# Altium PCB INC-QT1-R-005 93x100x1.6mm.PcbDoc (continued)
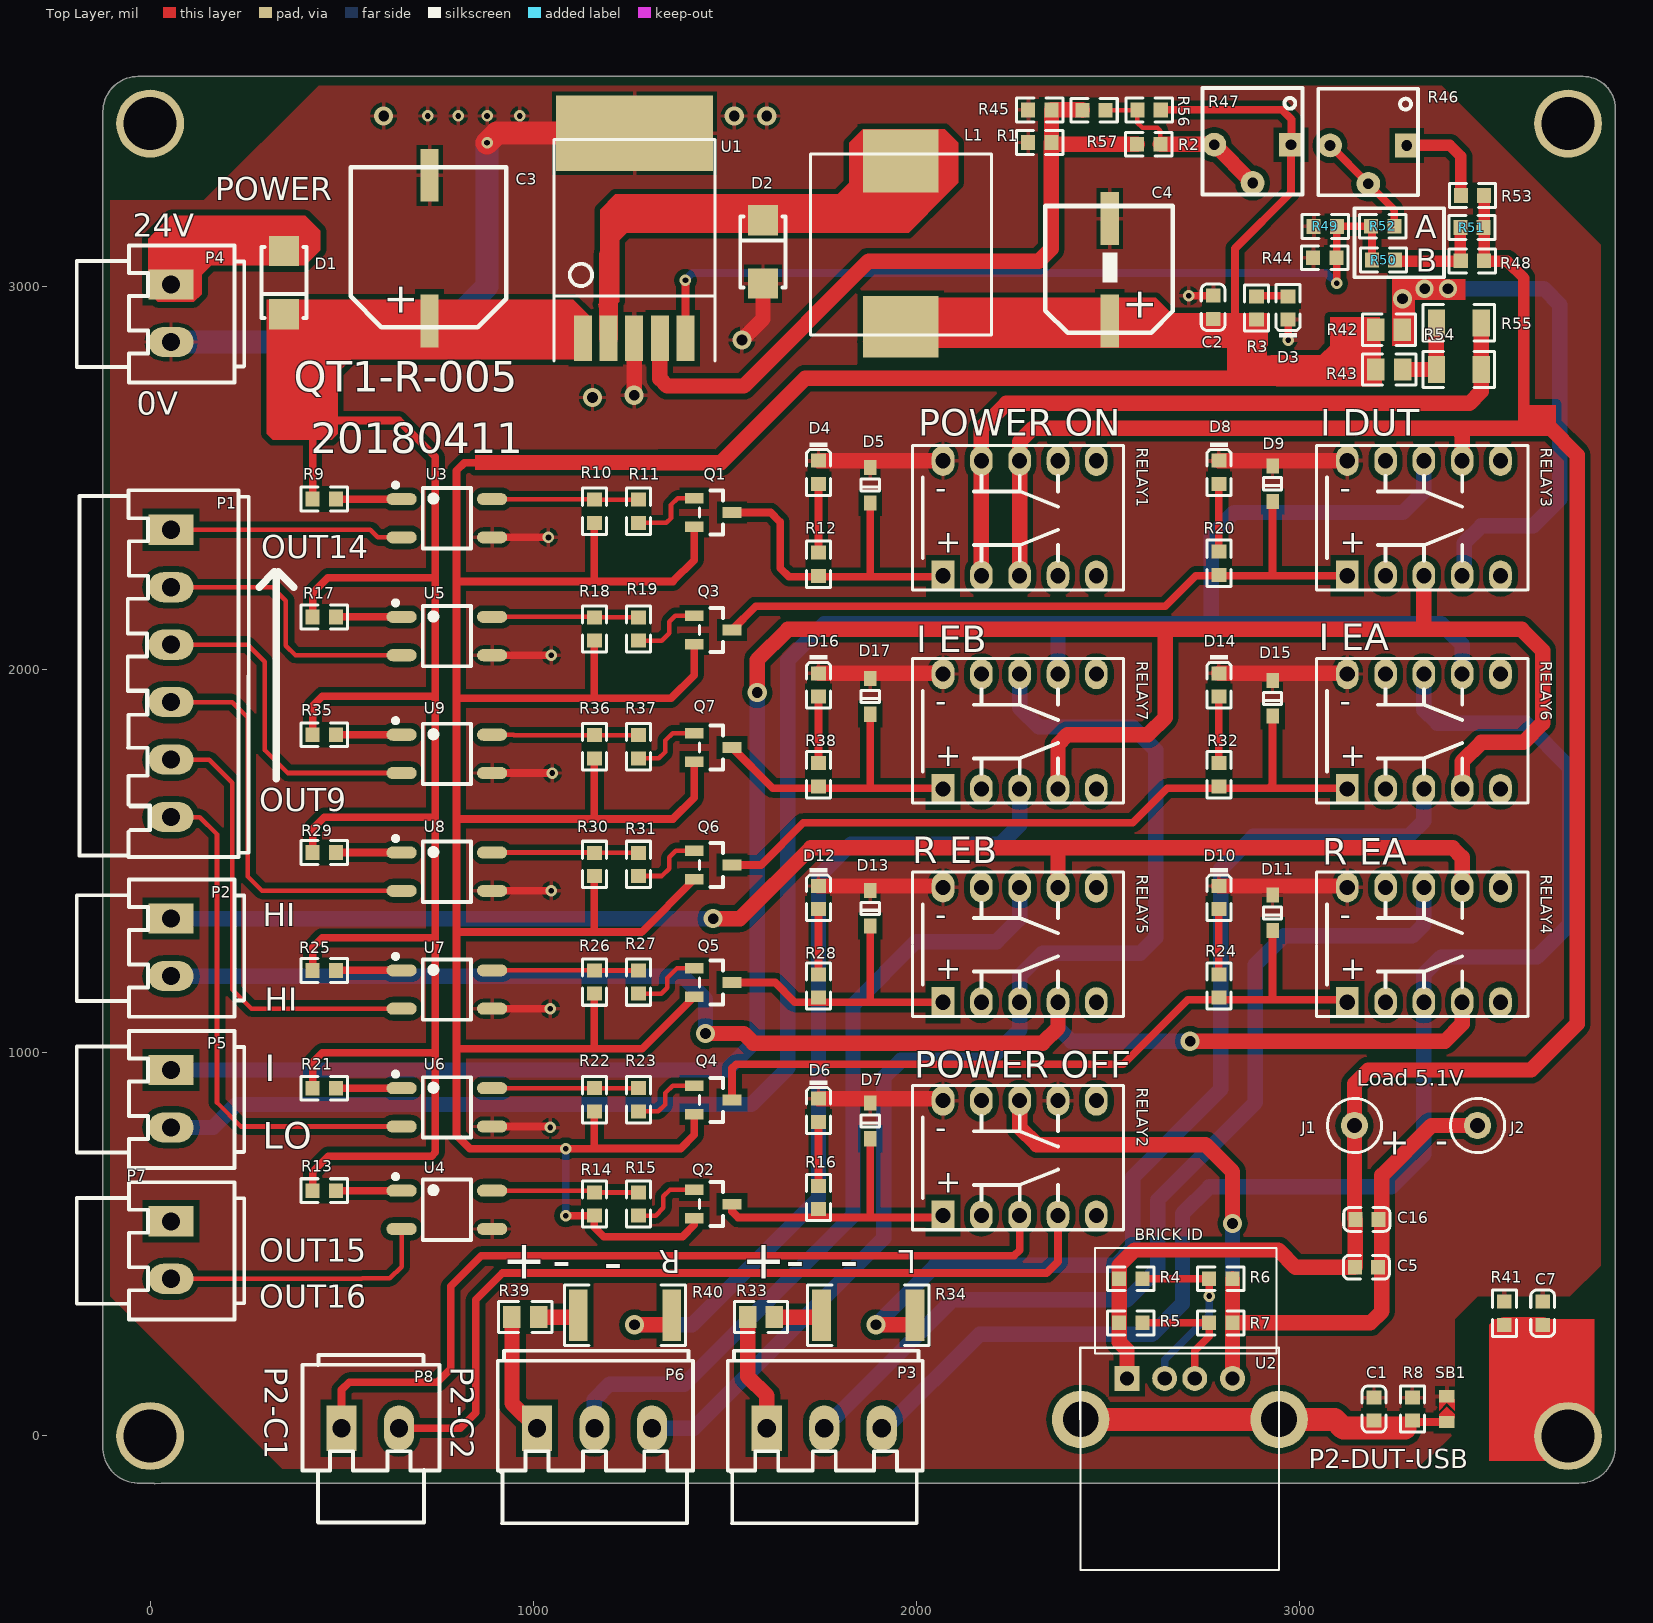
[diagram p0: Top Layer view]
## Footprints (in the part's own frame and the unit in brackets; to place one, negate y for a bottom-side part, rotate by r counter-clockwise, add the part's x,y. Pads: shape width x height; smd on the part's side, far side on the other; paste and mask are expansions set on the pad) (continued)
TP [mm] "XCP"
  round 1.8 hole 1: 1(0,0)
  silkscreen extent -1.8,-1.8 1.8,1.8, body extent -1.6,-1.6 1.57,1.57, height 8.13
USB_TypeA [mil]
  rect 65x65 hole 37: 1(0,0)
  round 65 hole 37: 2(-98.5,0) 3(-177,0) 4(-275.6,0)
  round 150 hole 93: 5(-397,107) 6(121,107)
  silkscreen extent -397,-80 122,500, body extent -449,-45 173,494, height 274
WJ15EDGVC-3.81-2P [mm] "XCP 15EDG连接器 直 插件 P=3.81"
  rect 2x3 hole 1.2: 1(0,0)
  oval 2x3 hole 1.2: 2(3.81,0)
  silkscreen extent -2.59,-6.25 6.5,4.85, body extent -2.57,-6.22 6.44,4.88, height 18.95
WJ15EDGVC-3.81-3P [mm] "XCP 15EDG连接器 直 插件 P=3.81"
  rect 2x3 hole 1.2: 1(0,0)
  oval 2x3 hole 1.2: 2(3.81,0) 3(7.62,0)
  silkscreen extent -2.59,-6.3 10.34,5.13, body extent -2.56,-6.2 10.26,4.9, height 18.6
WJ15EDGVC-3.81-6P [mm] "XCP15EDG连接器 直 插件 P=3.81"
  rect 2x3 hole 1.2: 1(0,0)
  oval 2x3 hole 1.2: 2(3.81,0) 3(7.62,0) 4(11.43,0) 5(15.24,0) 6(19.05,0)
  silkscreen extent -2.62,-6.07 21.69,5.16, body extent -2.6,-5.98 21.65,5.12, height 18.6
"插件可调电阻 3362P" [mil] "XCP 调节面在顶部 引脚三角"
  rect 62x62 hole 28: 1(0,0)
  round 62 hole 28: 2(-200,0) 3(-100,-100)
  silkscreen extent -231,-130 30,148, body extent -230,-130 30,148, height 185
"插件继电器 TQ2-5V" [mm] "XCP-PANASONIC(松下)"
  rect 1.5x2 hole 1: 1(0,0)
  oval 1.5x2 hole 1: 2(2.54,0) 3(5.08,0) 4(7.62,0) 5(10.16,0) 6(10.16,7.62) 7(7.62,7.62) 8(5.08,7.62) 9(2.54,7.62) 10(0,7.62)
  silkscreen extent -2.03,-0.94 11.97,8.64, body extent -1.92,-0.69 12.08,8.31, height 5
"贴片电感 12*12" [mm] "XCP"
  rect 3x5 smd: 1(0,0) 2(12.096,0)
  silkscreen extent 0.1,-6 12.1,6, body extent -0.25,-6.4 12.45,6.3, height 8
"贴片电解 8mm X 10mm" [mm] "XCP"
  rect 3.5x1.2 smd: 1(0,0) 2(6.782,0)
  silkscreen extent -0.79,-4.19 7.62,4.27, body extent -1.45,-4.25 8.25,4.25, height 10.3
"贴片电解 10mm X 10mm" [mm] "XCP"
  rect 3.5x1.2 smd: 1(0,0) 2(9.652,0)
  silkscreen extent -0.41,-5.08 10.19,5.23, body extent -1.02,-5.25 10.78,5.25, height 10.3

## Part data
C1 C2 C5 C7: library part "0603 100nF (104) 10% 50V", "贴片电容", Package=0603, SuppliersPartNumber=C14663, ComponentLink1Description=供应商链接, ComponentLink1URL=http://www.szlcsc.com/product/details_15331.html, Supplier=LC
C3 C4: library part "Cap Pol1", "Polarized Capacitor (Radial)", LatestRevisionDate=17-Jul-2002, LatestRevisionNote="Re-released for DXP Platform.", PackageReference=RB7.6-15, Published=8-Jun-2000, Publisher="Altium Limited"
C16: library part "0603 2.2uF (225) 10% 16V", "贴片电容", Package=0603, SuppliersPartNumber=C23630, ComponentLink1Description=供应商链接, ComponentLink1URL=http://www.szlcsc.com/product/details_24366.html, Supplier=LC
D1 D2: library part "SMA(DO-214AC) SS54", "二极管", Package=SMA(DO-214AC), SuppliersPartNumber=C22452, ComponentLink1Description=供应商链接, ComponentLink1URL=http://www.szlcsc.com/product/details_23178.html, Supplier=LC
D3: library part "0603 红灯", "发光二极管", Package=0603, SuppliersPartNumber=C2286, ComponentLink1Description=供应商链接, ComponentLink1URL=http://www.szlcsc.com/product/details_2659.html, Supplier=LC
D4 D6 D8 D10 D12 D14 D16: library part "0603 蓝灯", "发光二极管", Package=0603, SuppliersPartNumber=C72041, ComponentLink1Description=供应商链接, ComponentLink1URL=http://www.szlcsc.com/product/details_73150.html, Supplier=LC
D5 D7 D9 D11 D13 D15 D17: library part "SOD-323 1N4148WS T4", "二极管", Package=SOD-323, SuppliersPartNumber=C2128, ComponentLink1Description=供应商链接, ComponentLink1URL=http://www.szlcsc.com/product/details_2485.html, Supplier=LC
L1: library part Inductor, "Inductor", Code_IEC=1005, Code_JEITA=0402, LatestRevisionDate=29-May-2009, LatestRevisionNote="IPC-7351 Footprint Added.", PackageDescription="Chip Inductor", PackageReference=0402-A, Published=8-Jun-2000, Publisher="Altium Limited"
P1: "Header, 6-Pin", LatestRevisionDate=17-Jul-2002, LatestRevisionNote="Re-released for DXP Platform.", Publisher="Altium Limited"
P2 P4 P5 P7 P8: "Header, 2-Pin", LatestRevisionDate=17-Jul-2002, LatestRevisionNote="Re-released for DXP Platform.", Publisher="Altium Limited"
P3 P6: "Header, 3-Pin", LatestRevisionDate=17-Jul-2002, LatestRevisionNote="Re-released for DXP Platform.", Publisher="Altium Limited"
Q1 Q2 Q3 Q4 Q5 Q6 Q7: library part "SOT-23 SS8550 Y2", "三极管", Package=SOT-23, SuppliersPartNumber=C8542, ComponentLink1Description=供应商链接, ComponentLink1URL=http://www.szlcsc.com/product/details_9037.html, Supplier=LC
R1 R3: library part "0603 1.5KΩ (1501) 1%", "贴片电阻", Package=0603, SuppliersPartNumber=C22843, ComponentLink1Description=供应商链接, ComponentLink1URL=http://www.szlcsc.com/product/details_23570.html, Supplier=LC
R2: library part "0603 5.1KΩ (5101) 1%", "贴片电阻", Package=0603, SuppliersPartNumber=C23186, ComponentLink1Description=供应商链接, ComponentLink1URL=http://www.szlcsc.com/product/details_23913.html, Supplier=LC
R4 R34 R40: library part Res2, "Resistor", LatestRevisionDate=17-Jul-2002, LatestRevisionNote="Re-released for DXP Platform.", PackageReference=AXIAL-0.4, Published=8-Jun-2000, Publisher="Altium Limited"
R5: library part "0603 75KΩ (7502) 1%", "贴片电阻", Package=0603, SuppliersPartNumber=C23242, ComponentLink1Description=供应商链接, ComponentLink1URL=http://www.szlcsc.com/product/details_23969.html, Supplier=LC
R6 R7: library part "0603 49.9KΩ (4992) 1%", "贴片电阻", Package=0603, SuppliersPartNumber=C23184, ComponentLink1Description=供应商链接, ComponentLink1URL=http://www.szlcsc.com/product/details_23911.html, Supplier=LC
R8 R41 R45 R57: library part "0603 100KΩ (1003) 1%", "贴片电阻", Package=0603, SuppliersPartNumber=C25803, ComponentLink1Description=供应商链接, ComponentLink1URL=http://www.szlcsc.com/product/details_26546.html, Supplier=LC
R9 R10 R13 R14 R17 R18 R21 R22 R25 R26 R29 R30 R35 R36: library part "0603 10KΩ (1002) 1%", "贴片电阻", Package=0603, SuppliersPartNumber=C25804, ComponentLink1Description=供应商链接, ComponentLink1URL=http://www.szlcsc.com/product/details_26547.html, Supplier=LC
R11 R12 R15 R16 R19 R20 R23 R24 R27 R28 R31 R32 R37 R38: library part "0603 2KΩ (2001) 1%", "贴片电阻", Package=0603, SuppliersPartNumber=C22975, ComponentLink1Description=供应商链接, ComponentLink1URL=http://www.szlcsc.com/product/details_23702.html, Supplier=LC
R33 R39 R42 R43: library part "0805 0Ω (0R0) 1%", "贴片电阻", Package=0805, SuppliersPartNumber=C17477, ComponentLink1Description=供应商链接, ComponentLink1URL=http://www.szlcsc.com/product/details_18165.html, Supplier=LC
R44: library part "0603 11KΩ (1102) 1%", "贴片电阻", Package=0603, SuppliersPartNumber=C25950, ComponentLink1Description=供应商链接, ComponentLink1URL=http://www.szlcsc.com/product/details_26693.html, Supplier=LC
R46 R47: "Potentiometer", LatestRevisionDate=17-Jul-2002, LatestRevisionNote="Re-released for DXP Platform.", PackageDescription="Variable Resistor, Thru-Hole; 3 Leads", PackageReference=VR5, Published=8-Jun-2000, Publisher="Altium Limited", Set Position=0.5, Sim Note="Enter the Resistance value and the set point into parameter fields."
R48 R49 R51: library part "0603 510KΩ (5103) 1%", "贴片电阻", Package=0603, SuppliersPartNumber=C23192, ComponentLink1Description=供应商链接, ComponentLink1URL=http://www.szlcsc.com/product/details_23919.html, Supplier=LC
R50 R52 R56: library part "0603 0Ω (0R0) 1%", "贴片电阻", Package=0603, SuppliersPartNumber=C21189, ComponentLink1Description=供应商链接, ComponentLink1URL=http://www.szlcsc.com/product/details_21903.html, Supplier=LC
R53: library part "0603 30KΩ (3002) 1%", "贴片电阻", Package=0603, SuppliersPartNumber=C22984, ComponentLink1Description=供应商链接, ComponentLink1URL=http://www.szlcsc.com/product/details_23711.html, Supplier=LC
R54 R55: library part "1206 1Ω (1R00) 1%", "贴片电阻", Package=1206, SuppliersPartNumber=C17928, ComponentLink1Description=供应商链接, ComponentLink1URL=http://www.szlcsc.com/product/details_18616.html, Supplier=LC
U1: library part LM2596-ADJ
U3 U4 U5 U6 U7 U8 U9: library part Optoisolator1, "4-Pin Phototransistor Optocoupler", DatasheetVersion=Nov-2003, LatestRevisionDate=04-Mar-2005, LatestRevisionNote="Sch pins 3 & 4 Swapped.", PackageReference=DIP-4, Published=24-Mar-1999, Publisher="Altium Limited"
J1 J2: LatestRevisionDate=17-Jul-2002, LatestRevisionNote="Re-released for DXP Platform.", Publisher="Altium Limited"
SB1: Published=24-Mar-1999, Publisher="Altium Limited", Revision="July-2002: Re-released for DXP Platform.", Solder=NO

## Free pads (board coordinates)
  round 177.17 hole 137.8: 0(0,0) 1(3700.79,3425.2) 2(3700.79,0) 3(0,3425.2)
  rect 196.85x120 smd: 4(1959.45,3305.2) 5(1959.45,2915.2)

## Via types
v1: diameter 30, hole 15, Top Layer to Bottom Layer, tented both sides, 14 vias
v2: diameter 50, hole 28, Top Layer to Bottom Layer, 12 vias
v3: diameter 30, hole 15, Top Layer to Bottom Layer, 4 vias
v4: diameter 50, hole 28, Top Layer to Bottom Layer, tented both sides, 2 vias
v5: diameter 47.24, hole 28, Top Layer to Bottom Layer, 2 vias

## Nets (pads, with @x,y where several pads share a name; then routed paths per layer and width w, separated by ;. In a path a pad name is that pad's centre, name@x,y a point inside that pad or via, vN(x,y) a via of type N, cw(c..) or ccw(c..) an arc to the next point about the centre after c; other vN are vias at no path point)
24VDC: D1.1 P4.1 | length 207.3
  Top Layer w60: 142.13,3092.87 D1.1
34410A_I: P5.1 RELAY3.3 RELAY6.4 RELAY7.4 | length 5967.8
  Top Layer w40: v2(1584.45,1940.2) 1584.45,2025.2 1664.45,2105.2 2649.45,2105.2 ; RELAY7.4 2369.45,1805.2 2394.45,1830.2 2604.45,1830.2 2649.45,1875.2 2649.45,2105.2 ; RELAY3.3 3324.45,2105.2 ; RELAY6.4 3424.45,1760.2 3474.45,1810.2 3584.45,1810.2 3634.45,1860.2 3634.45,2050.2 3579.45,2105.2 3324.45,2105.2 ; 2649.45,2105.2 3324.45,2105.2
  Bottom Layer w40: P5.1 1504.45,955.2 1584.45,1035.2 v2(1584.45,1940.2)
34410A_LO: P5.2 RELAY3.8 RELAY6.7 RELAY7.7 | length 5686.4
  Bottom Layer w40: P5.2 164.45,805.2 224.45,865.2 1569.45,865.2 1664.45,960.2 1664.45,2025.2 1759.45,2120.2 2364.45,2120.2 ; RELAY7.7 2369.45,2115.2 2364.45,2120.2 ; RELAY3.8 3324.45,2465.2 3269.45,2410.2 2829.45,2410.2 2769.45,2350.2 2769.45,2125.2 2764.45,2120.2 ; RELAY6.7 3424.45,2065.2 3369.45,2120.2 2764.45,2120.2 ; 2364.45,2120.2 2764.45,2120.2
+5.26V: C2.2 C4.1 L1.2 pad.5 Q1.2 Q2.2 Q3.2 Q4.2 Q5.2 Q6.2 Q7.2 R3.2 R10.2 R14.2 R18.2 R22.2 R26.2 R30.2 R36.2 R42.1 R43.1 R47.1 R56.2 | length 11278
  Top Layer w20: v1(1084.76,574.88) R14.2 1159.45,545.2 1184.45,520.2 1389.45,520.2 1420.24,550.98 Q2.2 ; R22.2 1159.45,750.2 ; R26.2 1159.45,1010.2 ; R30.2 1159.45,1315.2 ; 1159.45,1615.2 R36.2 ; R18.2 1159.45,1925.2 ; R10.2 1159.45,2230.2 ; 1324.45,2540.2 820.45,2540.2 799.45,2519.2 799.45,2235.2 ; Q4.2 1420.24,785.98 1384.45,750.2 1159.45,750.2 ; Q5.2 1284.3,1010.2 1159.45,1010.2 ; Q6.2 1282.64,1315.2 1159.45,1315.2 ; Q7.2 1420.24,1665.98 1364.45,1610.2 799.45,1610.2 ; Q3.2 1420.24,1985.98 1359.45,1925.2 1159.45,1925.2 ; Q1.2 1420.24,2285.98 1364.45,2230.2 1159.45,2230.2 ; R56.2@2637.32,3461 R56.2 2954,3461 2979,3436 2979,3371.75 R47.1 2977.45,3245.2 2831.45,3099.2 2831.45,2893.2 ; 799.45,1015.2 799.45,1315.2 ; 799.45,1015.2 804.45,1010.2 1159.45,1010.2 ; 799.45,1015.2 799.45,785.2 834.76,749.88 v1(1084.76,749.88) 1159.13,749.88 1159.45,750.2 ; 799.45,1315.2 799.45,1610.2 ; 799.45,1315.2 1159.45,1315.2 ; 799.45,1610.2 799.45,1930.2 ; 799.45,1930.2 799.45,2235.2 ; 799.45,1930.2 804.45,1925.2 1159.45,1925.2 ; 799.45,2235.2 804.45,2230.2 1159.45,2230.2
  Top Layer w40: 1324.45,2540.2 1489.45,2540.2 1709.45,2760.2 2884.45,2760.2 ; L1.2 2468.23,2873.98 C4.1 2664.45,2910.2
  Bottom Layer w20: v1(1084.76,574.88) v1(1084.76,749.88)
+24V: C3.1 D1.2 R9.2 R13.2 R17.2 R21.2 R25.2 R29.2 R35.2 U1.1 | length 5866.2
  Top Layer w20: 414.45,2865.2 424.13,2855.51 424.13,2650.2 ; R13.2 424.13,689.88 464.45,730.2 734.45,730.2 744.45,740.2 744.45,1000.2 ; R21.2 424.13,974.88 449.45,1000.2 744.45,1000.2 ; R25.2 424.13,1274.88 449.45,1300.2 744.45,1300.2 ; R29.2 424.13,1584.88 454.45,1615.2 744.45,1615.2 ; R35.2 424.13,1905.2 449.13,1930.2 744.45,1930.2 ; R17.2 424.13,2200.2 464.13,2240.2 744.45,2240.2 ; R9.2 424.13,2650.2 ; 424.13,2650.2 649.45,2650.2 744.45,2555.2 744.45,2240.2 ; 744.45,1000.2 744.45,1300.2 ; 744.45,1300.2 744.45,1615.2 ; 744.45,1615.2 744.45,1930.2 ; 744.45,1930.2 744.45,2240.2
  Top Layer w40: 349.45,2845.2 D1.2 462.13,2927.52 524.45,2865.2 U1.1
DUT_D+: R5.1 R7.2 U2.3 | length 334.9
  Top Layer w20: R5.1 R7.2 2764.13,259.88 2726.61,222.36 U2.3@2726.61,150.2
DUT_D-: R4.1 R6.2 U2.2 | length 482.8
  Top Layer w20: R4.1 R6.2 2764.45,409.88 v1(2764.45,365.2)
  Bottom Layer w20: U2.2@2647.87,150.2 2647.87,198.62 2764.45,315.2 v1(2764.45,365.2)
DUT_VBUS+: C5.2 C16.2 J1.1 R4.2 R5.2 R48.2 R51.2 R53.2 RELAY1.3 RELAY1.8 RELAY3.7 U2.1 | length 6188.7
  Top Layer w30: R53.2 3481.76,3067.51 3480.45,3066.2 3541.45,3066.2 3585.45,3022.2 3585.45,2636.2 3579.45,2630.2
  Top Layer w40: RELAY1.3 RELAY1.8 2269.45,2595.2 2304.45,2630.2 3409.45,2630.2 ; U2.1 2549.45,224.88 2529.13,245.2 R5.2 R4.2 2529.13,444.88 2569.45,485.2 2944.45,485.2 2989.45,440.2 C5.2 ; C16.2@3143.23,567.36 J1.1 3143.23,918.98 3179.45,955.2 3604.45,955.2 3724.45,1075.2 3724.45,2560.2 3654.45,2630.2 3579.45,2630.2 3409.45,2630.2 ; C5.2@3145.39,441.46 C16.2 ; RELAY3.7 3424.45,2615.2 3409.45,2630.2
DUT_VBUS-: C5.1 C16.1 J2.1 R6.1 R7.1 RELAY2.8 U2.4 | length 2539.8
  Top Layer w40: RELAY2.8 2269.45,805.2 2314.45,760.2 2754.45,760.2 2825.04,689.61 v2(2825.04,554.61) v2@2820.04,554.61 ; R7.1 R7.1@2825.04,295.2 ; R6.1 2825.04,409.92 R7.1@2825.04,295.2 ; U2.4 R7.1@2825.04,295.2 ; J2.1 3344.45,810.2 3214.49,680.24 3214.49,325.24 3184.45,295.2 R7.1@2825.04,295.2
  Bottom Layer w40: v2@2824.45,555.2 v2(2825.04,554.61) U2.4
EARTH: C7.1 pad.2 R41.1 | length 100
  Top Layer w40: R41.1 C7.1
EN: R44.2 R49.2 R50.1 R52.1 U1.5 | length 2198.9
  Top Layer w20: U1.5 v3(1397.17,3016.2) ; v3@3097.08,3007.57 v3(3097.08,3008.2) 3097.08,3157.2 R52.1 3188.82,3155.2 R50.1
  Bottom Layer w20: v3@1396.45,3016.2 1415.45,3035.2 3070.08,3035.2 v3(3097.08,3008.2)
GND: C1.1 C2.1 C3.2 C4.2 C7.2 D2.1 D3.K D4.K D5.1 D6.K D7.1 D8.K D9.1 D10.K D11.1 D12.K D13.1 D14.K D15.1 D16.K D17.1 P4.2 R1.1 R8.1 R41.2 R44.1 R45.1 R49.1 RELAY1.10 RELAY2.7 RELAY2.10 RELAY3.10 RELAY4.10 RELAY5.10 RELAY6.10 RELAY7.10 SB1.2 U1.3 U3.3 U4.3 U5.3 U6.3 U7.3 U8.3 U9.3 | length 5313.9
  Top Layer w20: U6.3 1041.95,807.7 v1(1044.45,805.2) ; U7.3 v1(1044.45,1115.2) ; U8.3 v1(1046.95,1422.7) ; U9.3 v1(1049.45,1730.2) ; U5.3 v1(1046.95,2037.7) ; U3.3 v1(1039.45,2345.2) ; v3(2710.45,2976.2) C2.1 ; D3.K@2966.45,2915.57 2964.45,2913.57 2970.45,2907.57 v3(2970.45,2860.2)
  Top Layer w40: v2(1263.31,2716.34) U1.3@1263.31,2865.2 ; v2@1549.45,2865.2 1599.45,2915.2 D2.1 ; D6.K 2064.13,880.51 RELAY2.10 ; D12.K 2065.8,1435.51 RELAY5.10 ; D16.K RELAY7.10@2067.47,1990.51 ; D4.K 2069.13,2545.51 RELAY1.10 ; D10.K 3120.8,1435.51 RELAY4.10 ; D14.K RELAY6.10@3122.47,1990.51 ; D8.K 3124.13,2545.51 RELAY3.10
  Top Layer w60: v1(879.45,3375.2) 904.45,3400.2 U1.3@1264.45,3400.2
  Bottom Layer w60: P4.2 734.45,2855.2 879.45,3000.2 v1(879.45,3375.2)
  other v1: 724.45,3445.2 804.45,3445.2 879.45,3445.2 964.45,3445.2
  other v2: 1154.45,2710.2 1544.45,2860.2 609.45,3445.2 1524.45,3445.2 1609.45,3445.2
L+(RED): P3.1 R33.1 | length 310.7
  Top Layer w40: R33.1@1559.41,310.2 1559.41,155.24 1609.45,105.2 P3.1
L-(BLACK1): P3.3 RELAY4.3 RELAY6.8 | length 3698.1
  Bottom Layer w40: P3.3 1919.45,20.2 2164.45,265.2 2614.45,265.2 2694.45,345.2 2694.45,580.2 2764.45,650.2 3239.45,650.2 3324.45,735.2 RELAY4.3 3324.45,1205.2 3369.45,1250.2 3619.45,1250.2 3704.45,1335.2 3704.45,1745.2 3589.45,1860.2 3359.45,1860.2 3324.45,1895.2 RELAY6.8
L-(BLACK2): P3.2 RELAY4.8 | length 2522.7
  Bottom Layer w40: P3.2 2094.45,355.2 2549.45,355.2 2629.45,435.2 2629.45,615.2 2884.45,870.2 2884.45,1230.2 2959.45,1305.2 3294.45,1305.2 3324.45,1335.2 RELAY4.8
NetD2_2: D2.2 L1.1 pad.4 U1.2 | length 246.9
  Top Layer w50: U1.2 1196.38,3082.13 ; pad.4 L1.1@1959.45,3335.2
NetD3_A: D3.A R3.1 | length 79.8
  Top Layer w20: R3.1 2889.45,2976.2 D3.A@2966.45,2976.2
NetD4_A: D4.A R12.2 | length 179.7
  Top Layer w20: R12.2 D4.A
NetD5_2: D5.2 Q1.3 R12.1 RELAY1.1 | length 866.7
  Top Layer w20: Q1.3 1619.45,2410.2 1644.45,2385.2 1644.45,2265.2 1667.44,2242.2 1879.45,2242.2 ; D5.2@1879.45,2421.18 1879.45,2242.2 ; RELAY1.1@2066.46,2242.2 1879.45,2242.2
NetD6_A: D6.A R16.2 | length 170.8
  Top Layer w20: D6.A R16.2 R16.2@1747.09,650.2
NetD7_2: D7.2 Q2.3 R16.1 RELAY2.1 | length 759.6
  Top Layer w20: Q2.3 1518.66,585.98 1534.45,570.2 2064.45,570.2 RELAY2.1 ; 1879.45,575.2 D7.2@1879.45,756.18
NetD8_A: D8.A R20.2 | length 180.8
  Top Layer w20: D8.A R20.2 R20.2@2792.09,2305.2
NetD9_2: D9.2 Q3.3 R20.1 RELAY3.1 | length 1838
  Top Layer w20: Q3.3 1580.33,2165.2 2649.45,2165.2 2729.45,2245.2 RELAY3.1 ; 2929.45,2247.7 D9.2@2929.45,2421.18
NetD10_A: D10.A R24.2 | length 174.1
  Top Layer w20: D10.A R24.2 R24.2@2792.09,1201.86
NetD11_2: D11.2 Q4.3 R24.1 RELAY4.1 | length 1927.9
  Top Layer w20: Q4.3 1518.66,959.41 1529.45,970.2 2539.45,970.2 2708.12,1138.87 3117.44,1138.87 RELAY4.1 ; 2929.45,1143.87 D11.2@2929.45,1306.18
NetD12_A: D12.A R28.2 | length 174.1
  Top Layer w20: D12.A R28.2 R28.2@1747.09,1201.86
NetD13_2: D13.2 Q5.3 R28.1 RELAY5.1 | length 746.5
  Top Layer w20: Q5.3 1631.12,1183.53 1682.78,1131.86 RELAY5.1 ; 1879.45,1136.86 D13.2@1879.45,1311.18
NetD14_A: D14.A R32.2 | length 177.4
  Top Layer w20: D14.A R32.2 R32.2@2792.09,1753.53
NetD15_2: D15.2 Q6.3 R32.1 RELAY6.1 | length 1866.9
  Top Layer w20: Q6.3 1594.45,1490.2 1704.45,1600.2 2564.45,1600.2 2654.79,1690.54 2919.45,1690.54 ; D15.2@2929.45,1863.68 2929.45,1700.54 2919.45,1690.54 ; RELAY6.1 3122.44,1690.54 2919.45,1690.54
NetD16_A: D16.A R38.2 | length 173.7
  Top Layer w20: R38.2 D16.A
NetD17_2: D17.2 Q7.3 R38.1 RELAY7.1 | length 766.3
  Top Layer w20: Q7.3 1624.99,1690.54 2067.44,1690.54 RELAY7.1 ; 1879.45,1695.54 D17.2@1879.45,1866.18
NetQ1_1: Q1.1 R11.2 | length 198.7
  Top Layer w12: R11.2 1347.24,2382.99 1359.45,2395.2 1359.45,2430.2 1376.85,2447.6 Q1.1 Q1.1@1416.26,2443.62
NetQ2_1: Q2.1 R15.2 | length 191.4
  Top Layer w12: R15.2 1319.13,574.88 1339.45,595.2 1339.45,625.2 1356.85,642.6 Q2.1
NetQ3_1: Q3.1 R19.2 | length 190.3
  Top Layer w12: R19.2 1335.06,2075.81 1354.45,2095.2 1354.45,2125.2 1370.18,2140.93 Q3.1
NetQ4_1: Q4.1 R23.2 | length 191.2
  Top Layer w12: R23.2 1326.32,847.07 1344.45,865.2 1344.45,895.2 1363.52,914.26 Q4.1
NetQ5_1: Q5.1 R27.2 | length 188.1
  Top Layer w12: R27.2 1333.5,1154.25 1349.45,1170.2 1349.45,1195.2 1375.18,1220.93 Q5.1
NetQ6_1: Q6.1 R31.2 | length 190.8
  Top Layer w12: R31.2 1335.69,1461.44 1354.45,1480.2 1354.45,1510.2 1371.85,1527.6 Q6.1
NetQ7_1: Q7.1 R37.2 | length 190.6
  Top Layer w12: R37.2 1327.87,1768.62 1344.45,1785.2 1344.45,1815.2 1363.52,1834.26 Q7.1
NetR1_2: R1.2 R2.1 R45.2 R57.1 U1.4 | length 1954
  Top Layer w40: U1.4 1330.24,2759.41 1349.45,2740.2 1549.45,2740.2 1875.45,3066.2 2319.45,3066.2 2352,3098.75 R1.2 ; R57.1 2432.37,3461 R45.2 2352.32,3376.32 R1.2 ; R2.1 2356.8,3371.2 R1.2
NetR2_2: R2.2 R47.2 R47.3 R56.1 R57.2 | length 503.3
  Top Layer w12: R57.2 2576,3460 R56.1@2576.69,3460.69 ; R56.1 R56.1@2576.69,3460.69 ; R2.2 2636.76,3406.5 2629.26,3414 2590,3414 2576.69,3427.31 R56.1@2576.69,3460.69
  Top Layer w40: R2.2 2776.45,3371.2 R47.2 R47.3
NetR9_1: R9.1 U3.1 | length 171.6
  Top Layer w20: R9.1 U3.1
NetR10_1: R10.1 R11.1 U3.4 | length 382.5
  Top Layer w12: U3.4 1157.87,2445.2 R10.1 1196.02,2443.62 ; 1196.02,2443.62 R11.1
NetR13_1: R13.1 U4.1 | length 171.6
  Top Layer w20: R13.1 U4.1
NetR14_1: R14.1 R15.1 U4.4 | length 383.8
  Top Layer w12: U4.4 1154.76,640.2 R14.1 R15.1
NetR17_1: R17.1 U5.1 | length 171.6
  Top Layer w20: R17.1 U5.1
NetR18_1: R18.1 R19.1 U5.4 | length 382.4
  Top Layer w12: U5.4 1158.19,2137.7 R18.1 R19.1
NetR21_1: R21.1 U6.1 | length 171.6
  Top Layer w20: R21.1 U6.1
NetR22_1: R22.1 R23.1 U6.4 | length 381.9
  Top Layer w12: U6.4 R22.1 R23.1
NetR25_1: R25.1 U7.1 | length 171.6
  Top Layer w20: R25.1 U7.1
NetR26_1: R26.1 R27.1 U7.4 | length 382
  Top Layer w12: U7.4 1159.13,1215.2 R26.1 R27.1
NetR29_1: R29.1 U8.1 | length 171.6
  Top Layer w20: R29.1 U8.1
NetR30_1: R30.1 R31.1 U8.4 | length 382.2
  Top Layer w12: U8.4 1158.82,1522.7 R30.1 R31.1
NetR33_2: R33.2 R34.2 | length 125
  Top Layer w40: R33.2 1747.4,310.2 R34.2
NetR34_1: R34.1 RELAY6.3 | length 2642.7
  Top Layer w40: v4(1894.45,290.2) 1899.45,290.2 1996.5,290.2 1959.09,290.2
  Bottom Layer w40: v4(1894.45,290.2) 2049.45,445.2 2519.45,445.2 2564.45,490.2 2564.45,675.2 2794.45,905.2 2794.45,1480.2 2879.45,1565.2 3284.45,1565.2 3324.45,1605.2 RELAY6.3
NetR35_1: R35.1 U9.1 | length 171.6
  Top Layer w20: R35.1 U9.1
NetR36_1: R36.1 R37.1 U9.4 | length 382.3
  Top Layer w12: U9.4 948.78,1830.2 949.72,1829.25 R36.1 R37.1
NetR39_2: R39.2 R40.2 | length 105
  Top Layer w40: R39.2 1112.4,310.2 R40.2
NetR40_1: R40.1 RELAY7.3 | length 2228
  Top Layer w40: v4(1264.45,290.2) 1269.45,290.2 R40.1@1361.5,290.2
  Bottom Layer w40: v4(1264.45,290.2) 1414.45,290.2 1744.45,620.2 1744.45,1460.2 1829.45,1545.2 2219.45,1545.2 2269.45,1595.2 RELAY7.3
NetR42_2: R42.2 RELAY3.4 | length 1282.1
  Top Layer w40: R42.2 v2(3268.49,2968.24)
  Bottom Layer w40: v5(3387.45,2994.2) 3637.45,2994.2 3679.45,2952.2 3679.45,2445.2 3609.45,2375.2 3474.45,2375.2 3429.45,2330.2 3429.45,2250.2 RELAY3.4
  other v5: 3326.45,2994.2
NetR43_2: R43.2 R54.2 R55.1 | length 209.3
  Top Layer w40: R43.2 R54.2 R55.1
NetR46_1: R46.1 R53.1 | length 255.9
  Top Layer w30: R46.1 3392.45,3368.2 3421.13,3339.51 R53.1
NetR46_2: R46.2 R46.3 R52.2 | length 280.6
  Top Layer w20: R46.2 R46.3 3247.45,3200.2 R52.2
NetR48_1: R48.1 R50.2 R51.1 | length 259.8
  Top Layer w30: R50.2 3252.45,3066.2 3419.82,3066.2 3419.45,3066.57 R51.1@3419.45,3154.2
OUT9: P1.6 U6.2 | length 1346.4
  Top Layer w12: P1.6 129.45,1615.2 174.45,1570.2 174.45,870.2 236.95,807.7 U6.2
OUT10: P1.5 U7.2 | length 1187.5
  Top Layer w12: P1.5 154.45,1765.2 214.45,1705.2 214.45,1165.2 264.45,1115.2 U7.2
OUT11: P1.4 U8.2 | length 1049
  Top Layer w12: P1.4 214.45,1915.2 254.45,1875.2 254.45,1460.2 291.95,1422.7 U8.2
OUT12: P1.3 U9.2 | length 875.4
  Top Layer w12: P1.3 254.45,2065.2 299.45,2020.2 299.45,1790.2 359.45,1730.2 U9.2
OUT13: P1.2 U5.2 | length 744.2
  Top Layer w12: P1.2 319.45,2215.2 354.45,2180.2 354.45,2062.7 379.45,2037.7 U5.2
OUT14: P1.1 U3.2 | length 610.2
  Top Layer w12: P1.1 574.45,2365.2 594.45,2345.2 U3.2
OUT15: P7.1
OUT16: P7.2 U4.2 | length 723.2
  Top Layer w12: P7.2@44.45,410.2 P7.2 552.68,410.2 553.68,411.2 625.45,411.2 656.34,442.09 U4.2
P2_GND1: P8.2 RELAY2.4 | length 2193
  Top Layer w20: P8.2 809.45,20.2 849.45,60.2 849.45,355.2 919.45,425.2 2339.45,425.2 2369.45,455.2 RELAY2.4
P2_GND2: P8.1 RELAY2.3 | length 2237.1
  Top Layer w20: P8.1 499.45,120.2 519.45,140.2 749.45,140.2 784.45,175.2 784.45,390.2 864.45,470.2 2254.45,470.2 2269.45,485.2 RELAY2.3
R+(RED): P6.1 R39.1 | length 306.9
  Top Layer w40: R39.1@944.41,300.2 944.41,85.24 P6.1
R-(BLACK1): P6.3 RELAY5.3 RELAY7.8 | length 3152.1
  Bottom Layer w40: P6.3 1419.45,20.2 1914.45,515.2 1914.45,935.2 1959.45,980.2 2189.45,980.2 2269.45,1060.2 RELAY5.3 2269.45,1200.2 2329.45,1260.2 2584.45,1260.2 2624.45,1300.2 2624.45,1790.2 2564.45,1850.2 2319.45,1850.2 2269.45,1900.2 RELAY7.8
R-(BLACK2): P6.2 RELAY5.8 | length 2108.7
  Bottom Layer w40: P6.2 1159.45,95.2 1199.45,135.2 1394.45,135.2 1834.45,575.2 1834.45,1125.2 1999.45,1290.2 2209.45,1290.2 2269.45,1350.2 RELAY5.8
RM3545_H1: P2.2 RELAY4.4 RELAY5.4 | length 3734.9
  Top Layer w40: v2(1449.45,1050.2) 1549.45,1050.2 1574.45,1025.2 2329.45,1025.2 2369.45,1065.2 RELAY5.4 ; v2(2714.45,1030.2) 3379.45,1030.2 3424.45,1075.2 RELAY4.4
  Bottom Layer w40: P2.2 1389.45,1200.2 1449.45,1140.2 v2(1449.45,1050.2) ; RELAY5.4 2369.45,1065.2 2404.45,1030.2 v2(2714.45,1030.2)
RM3545_H2: P2.1 RELAY4.7 RELAY5.7 | length 3628.7
  Top Layer w40: v2(1469.45,1350.2) 1539.45,1350.2 1724.45,1535.2 3399.45,1535.2 3424.45,1510.2 RELAY4.7 ; RELAY5.7 2369.45,1530.2
  Bottom Layer w40: P2.1 v2@1464.45,1350.2
USB_SHIELD: C1.2 R8.2 SB1.1 U2.5 U2.6 | length 992.4
  Top Layer w20: R8.2 3297.88,36.45 SB1.1
  Top Layer w60: U2.6@2383.43,43.5 3091.14,43.5 3114.45,20.2 3274.76,20.2
VCHARGE: R54.1 R55.2 RELAY1.2 RELAY1.9 | length 1908.6
  Top Layer w40: RELAY1.2 RELAY1.9 2169.45,2630.2 2234.45,2695.2 3443.45,2695.2 3474.11,2725.86 R54.1 R55.2
pads on no net: RELAY1.4 RELAY1.5 RELAY1.6 RELAY1.7 RELAY2.2 RELAY2.5 RELAY2.6 RELAY2.9 RELAY3.2 RELAY3.5 RELAY3.6 RELAY3.9 RELAY4.2 RELAY4.5 RELAY4.6 RELAY4.9 RELAY5.2 RELAY5.5 RELAY5.6 RELAY5.9 RELAY6.2 RELAY6.5 RELAY6.6 RELAY6.9 RELAY7.2 RELAY7.5 RELAY7.6 RELAY7.9

## Polygon pours and split planes (outlines as drawn)
GND on Bottom Layer "Top Layer-No Net" (solid, remove dead copper, pour order 24): 134.91,3214.73 444.91,3524.73 3359.91,3524.73 3784.91,3099.73 3784.91,444.73 3704.91,364.73 3469.91,364.73 3394.91,289.73 3394.91,-0.27 3304.91,-90.27 344.91,-90.27 -110.09,364.73 -95.09,379.73 -95.09,3214.73
GND on Top Layer "Top Layer-No Net" (solid, remove dead copper, pour order 22): -104.54,3224.55 140.46,3224.55 440.46,3524.55 3370.46,3524.55 3785.46,3109.55 3785.46,444.55 3705.46,364.55 3465.46,364.55 3405.46,304.55 3405.46,9.55 3345.46,-50.45 3340.46,-50.45 3305.46,-85.45 345.46,-85.45 -84.54,344.55 -104.54,364.55 -104.54,394.55 -104.54,3209.55

## Other copper
Top Layer:
  rectangle net +24V: 384.45,2610.2 464.45,2680.2
  rectangle net +5.26V: 2810.45,2740.2 2914.45,2880.2
  rectangle net NetR42_2: 3241.45,2845.2 3301.45,3020.2
  rectangle net DUT_VBUS+: 3572.45,2618.2 3669.45,2691.2
  rectangle net NetR42_2: 3241.45,2965.2 3433.45,3020.2
  rectangle net +5.26V: 2842.45,2740.2 3008.45,2820.2
  rectangle net +5.26V: 847.45,2521.2 1328.45,2560.2
  region net EARTH: 3769.45,305.2 3769.45,57.41 3729.09,-64.8 3689.45,-64.8 3634.45,-64.8 3534.45,-64.8 3494.45,-64.8 3494.45,290.2 3509.45,305.2
  region net 24VDC: -5.55,3125.2 54.45,3185.2 404.45,3185.2 444.45,3145.2 444.45,3095.2 404.45,3055.2 159.45,3055.2 134.45,3030.2 134.45,2980.2 114.45,2960.2 19.45,2960.2 -5.55,2985.2
  region net +24V: 304.45,2965.2 1104.45,2965.2 1144.45,2925.2 1144.45,2835.2 1119.45,2810.2 524.45,2810.2 489.45,2775.2 489.45,2615.2 474.45,2600.2 319.45,2600.2 304.45,2615.2
  region net NetD2_2: 1174.45,2930.2 1174.45,3200.2 1214.45,3240.2 1794.45,3240.2 1824.45,3270.2 1824.45,3375.2 1859.45,3410.2 2074.45,3410.2 2109.45,3375.2 2109.45,3270.2 2079.45,3240.2 1979.45,3140.2 1244.45,3140.2 1224.45,3120.2 1224.45,2960.2 1204.45,2940.2 1199.45,2945.2 1179.45,2945.2 1169.45,2955.2
  region net +5.26V: 1874.45,2970.2 2624.45,2970.2 2664.45,2930.2 2916.45,2930.2 2916.45,2847.2 2909.45,2840.2 1874.45,2840.2 1859.45,2855.2 1864.45,2860.2 1864.45,2960.2 1879.45,2975.2 1989.45,2975.2
  region net +5.26V: 3209.14,2919.2 3079.45,2919.2 3079.45,2845.2 3054.45,2820.2 2924.45,2820.2 2919.45,2815.2 2919.45,2760.2 2939.45,2740.2 3209.45,2740.2 3214.45,2745.2
Bottom Layer:
  rectangle net NetR42_2: 3242.45,2967.2 3433.45,3019.2
  rectangle net NetR42_2: 3242.45,2929.2 3301.45,3019.2

## Silkscreen, mask and mechanical layers (free items; w line width, h text height)
Top Overlay:
  lines w5: 2465.7,215.2 2465.7,490.2 2939.45,490.2 2939.45,215.2 2465.7,215.2
  lines w10: 3143.45,3024.2 3143.45,3204.2 3377,3204.2 3377,3024.2 3143.45,3024.2
  lines w20: 284.45,2215.2 324.45,2255.2 ; 329.45,1715.2 329.45,2250.2 ; 334.45,2255.2 374.45,2215.2
  text "POWER" at 169.45,3225.2 h60
  text "24V" at -45.55,3130.2 h60
  text "A" at 3302,3126 h60
  text "B" at 3303,3039 h60
  text "QT1-R-005" at 374.45,2725.2 h80
  text "0V" at -35.55,2665.2 h60
  text "POWER ON" at 2004.45,2610.2 h70
  text "I DUT" at 3054.45,2610.2 h70
  text "20180411" at 419.45,2565.2 h80
  text "OUT14" at 289.45,2290.2 h60
  text "I EA" at 3049.45,2050.2 h70
  text "I EB" at 1999.45,2045.2 h70
  text "OUT9" at 284.45,1630.2 h60
  text "R EB" at 1989.45,1495.2 h70
  text "R EA" at 3059.45,1490.2 h70
  text "HI" at 294.45,1330.2 h60
  text "HI" at 299.45,1110.2 h60
  text "POWER OFF" at 1994.45,935.2 h70
  text "I" at 299.45,925.2 h70
  text "Load 5.1V" at 3149.45,900.2 h70
  text "LO" at 294.45,750.2 h70
  text "-" at 3354.45,715.2 h118.11
  text "+" at 3209.45,710.2 h118.11
  text "BRICK ID" at 2569.45,510.2 h30
  text "R" at 1384.45,485.2 h60 r180
  text "L" at 1999.45,485.2 h60 r180
  text "OUT15" at 284.45,455.2 h60
  text "+" at 919.45,410.2 h100
  text "-" at 1049.45,410.2 h100
  text "+" at 1544.45,410.2 h100
  text "-" at 1659.45,410.2 h100
  text "-" at 1799.45,410.2 h100
  text "-" at 1184.45,405.2 h100
  text "OUT16" at 284.45,335.2 h60
  text "P2-C1" at 299.45,180.2 h60 r270
  text "P2-C2" at 784.45,180.2 h60 r270
  text "P2-DUT-USB" at 3024.45,-84.8 h50
Bottom Overlay:
  text "QT1-R-005" at 2544.45,3130.2 h80
  text "20180411" at 2529.45,2935.2 h80
Mechanical 1:
  lines w10: -119.55,-36.8 ccw(c-35.05,-33.3) -31.55,-117.8 3739.45,-117.8 ccw(c3737.95,-36.3) 3819.45,-34.8 3819.45,3431.2 ccw(c3724.95,3448.7) 3742.45,3543.2 -25.55,3543.2 ccw(c-29.55,3455.2) -117.55,3459.2 -117.55,-44.8

## Text inside footprints (layer, text, board x,y; h text height)
C3: Top Overlay "+" at 689.45,2920.2 h78.74 r90
C4: Top Overlay "+" at 2618.45,2906.2 h78.74 r90
RELAY1: Top Overlay "+" at 2049.45,2305.2 h60; Top Overlay "-" at 2049.45,2445.2 h60
RELAY2: Top Overlay "+" at 2049.45,635.2 h60; Top Overlay "-" at 2049.45,775.2 h60
RELAY3: Top Overlay "+" at 3104.45,2305.2 h60; Top Overlay "-" at 3104.45,2445.2 h60
RELAY4: Top Overlay "+" at 3104.45,1191.86 h60; Top Overlay "-" at 3104.45,1331.86 h60
RELAY5: Top Overlay "+" at 2049.45,1191.86 h60; Top Overlay "-" at 2049.45,1331.86 h60
RELAY6: Top Overlay "+" at 3104.45,1748.53 h60; Top Overlay "-" at 3104.45,1888.53 h60
RELAY7: Top Overlay "+" at 2049.45,1748.53 h60; Top Overlay "-" at 2049.45,1888.53 h60